# KiCad board cleanrobot-square-main.kicad_pcb (continued)
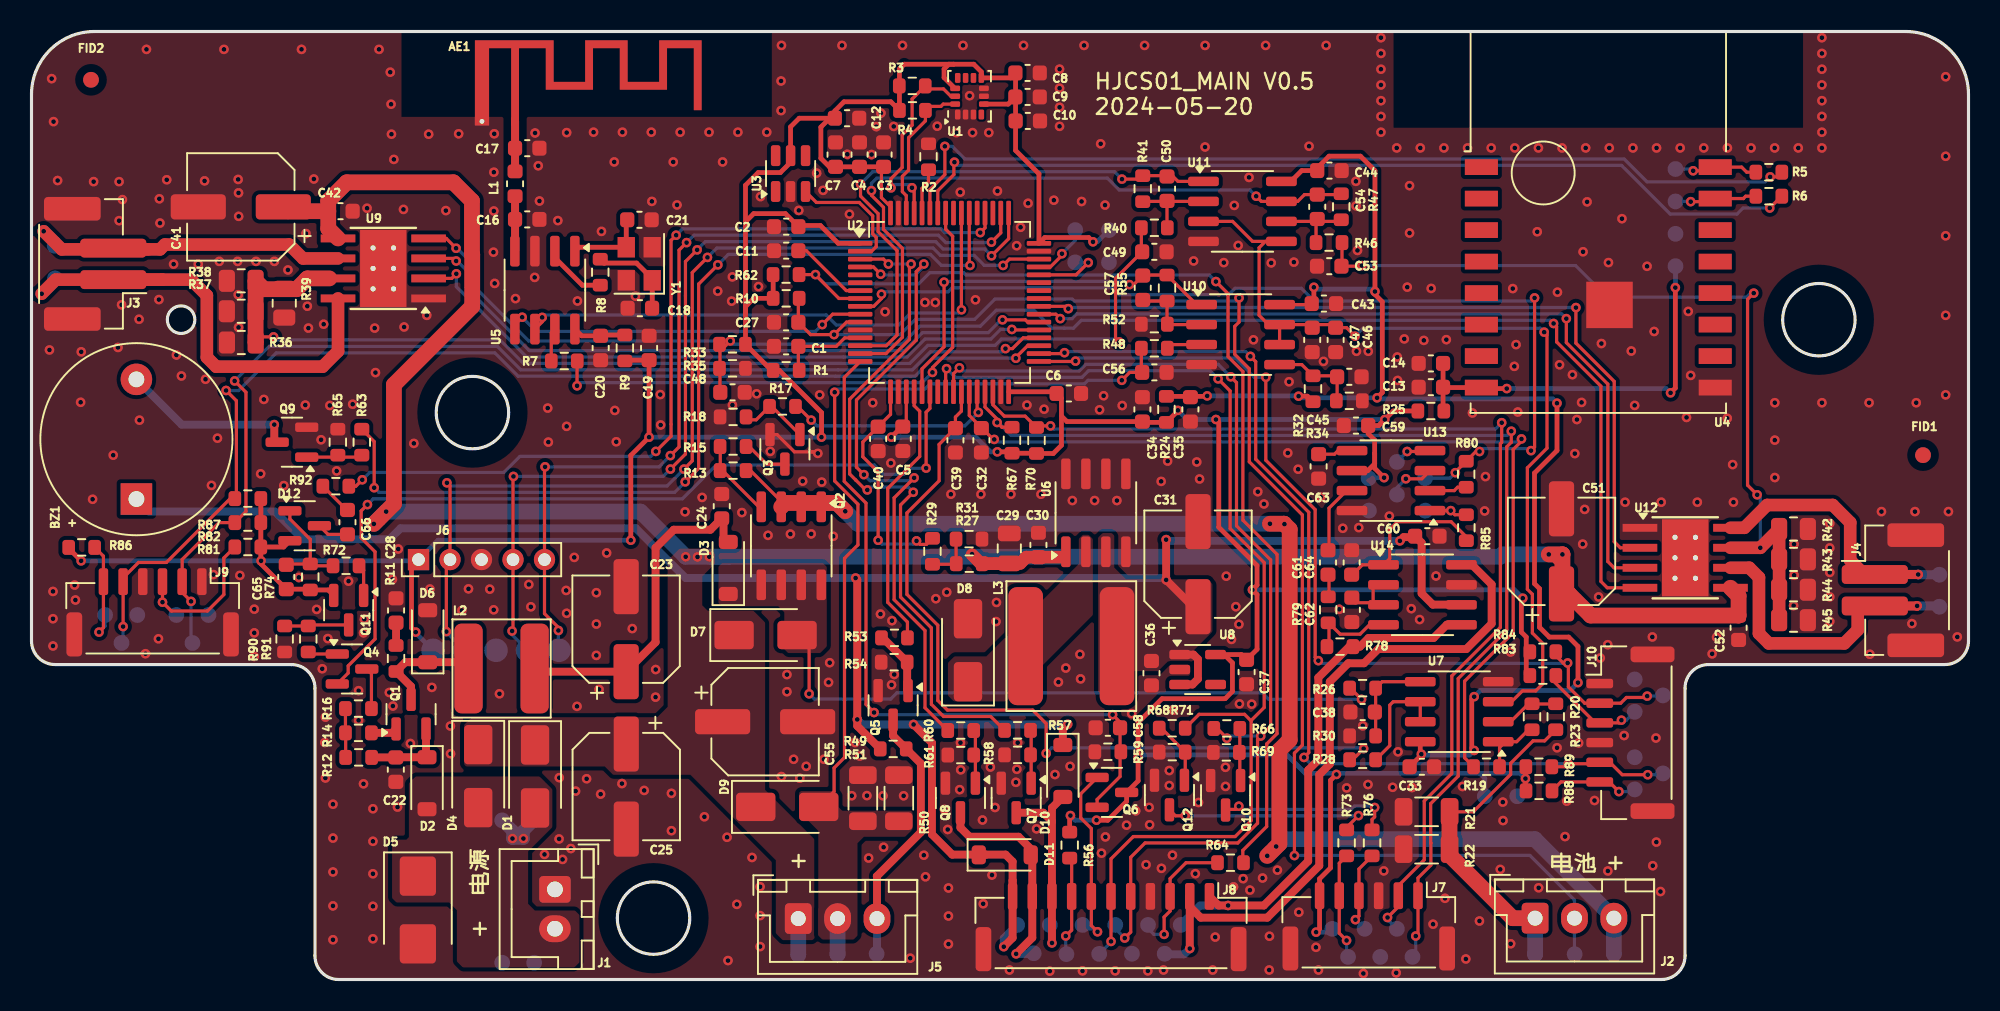
[diagram p0: board, top side]
## Footprints (pads in the part's own frame, mm; a bottom-side part is the same pattern mirrored in y, then rotated) (continued)
  rrect 1.025x1.4 smd: 1(-0.912,0) 2(0.912,0)
R_1206_3216Metric
  rrect 1.125x1.75 smd: 1(-1.462,0) 2(1.462,0)
SOIC-8_3.9x4.9mm_P1.27mm
  rrect 1.95x0.6 smd: 1(-2.475,1.905) 2(-2.475,0.635) 3(-2.475,-0.635) 4(-2.475,-1.905) 5(2.475,-1.905) 6(2.475,-0.635) 7(2.475,0.635) 8(2.475,1.905)
SOT-23
  rrect 1.475x0.6 smd: 1(-0.938,0.95) 2(-0.938,-0.95) 3(0.938,0)
SOT-23-5
  rrect 1.325x0.6 smd: 1(-1.137,0.95) 2(-1.137,0) 3(-1.137,-0.95) 4(1.137,-0.95) 5(1.137,0.95)
SOT-23-6
  rrect 1.325x0.6 smd: 1(-1.137,0.95) 2(-1.137,0) 3(-1.137,-0.95) 4(1.137,-0.95) 5(1.137,0) 6(1.137,0.95)
TestPoint_Pad_D1.0mm
  round 1 smd: 1(0,0)
TestPoint_Pad_D1.5mm
  round 1.5 smd: 1(0,0)
Texas_HTSOP-8-1EP_3.9x4.9mm_P1.27mm_EP2.95x4.9mm_Mask2.4x3.1mm_ThermalVias
  rect 2.4x3.1 smd: (0,0) (0,0)
  rect 2.2x0.5 smd: 1(-2.875,1.905) 2(-2.875,0.635) 3(-2.875,-0.635) 4(-2.875,-1.905) 5(2.875,-1.905) 6(2.875,-0.635) 7(2.875,0.635) 8(2.875,1.905)
  round 0.63 hole 0.33: 9(-0.65,1.3) 9(-0.65,0) 9(-0.65,-1.3) 9(0.65,1.3) 9(0.65,0) 9(0.65,-1.3)
  rect 2.6x3.3 smd far side: 9(0,0)
  rect 2.95x4.9 smd: 9(0,0)
Texas_SWRA117D_2.4GHz_Right
  rect 0.5x0.5 smd: 1(0,0)
  rect 0.9x0.5 hole 0.3: 2(-2.1,0)
Tuya_BT3L
  rect 2.1x1 smd: 1(-7.425,7) 2(-7.425,5) 3(-7.425,3) 4(-7.425,1) 5(-7.425,-1) 6(-7.425,-3) 7(-7.425,-5) 8(-7.425,-7) 9(7.425,-7) 10(7.425,-5) 11(7.425,-3) 12(7.425,-1) 13(7.425,1) 14(7.425,3) 15(7.425,5) 16(7.425,7)
  rect 2.95x2.95 smd: 17(0.71,-1.75)
YH_HY_2AB_1x02-1MP_P2.00mm_Vertical
  rrect 1.2x4.2 smd: 1(-1,-1.4) 2(1,-1.4)
  rrect 1.5x3.6 smd: MP(-3.5,1.2) MP(3.5,1.2)

## Nets
+3.3VA: C33.1 C35.1 C43.1 C44.1 R24.2 R32.1 U7.8 U10.8 U11.8
+3.3VP: C13.1 C14.1 R25.2 TP3.1 U4.8
+3V3: C2.2 C3.2 C4.2 C5.2 C6.2 C7.2 C8.2 C9.2 C10.2 C12.1 C19.1 C34.1 C37.1 C59.1 C65.1 D12.2 J6.1 J7.6 Q6.3 Q11.2 R1.2 R3.2 R4.2 R9.1 R10.1 R24.1 R25.1 R33.1 R56.1 R62.1 R67.1 R70.1 R74.2 R81.1 R82.1 R83.1 R84.1 R86.1 R87.1 R88.1 R89.1 TP1.1 TP41.1 TP45.1 TP59.1 TP60.1 U1.5 U1.8 U1.12 U2.1 U2.19 U2.32 U2.48 U2.64 U3.5 U8.5 U13.6
+5V: BZ1.1 C31.1 C36.1 C60.1 D10.1 D11.1 J8.11 L3.2 R49.1 TP35.1 U6.3 U8.1 U8.3 U14.6
+24V: D1.2 D2.2 D4.2 D5.1 J1.2 TP6.1 TP7.1
GND: AE1.2 C1.1 C2.1 C3.1 C4.1 C5.1 C6.1 C7.1 C8.1 C9.1 C10.1 C11.1 C12.2 C13.2 C14.2 C16.1 C17.1 C18.2 C19.2 C20.2 C21.2 C22.2 C23.2 C24.2 C25.2 C27.2 C28.2 C29.2 C30.2 C31.2 C32.2 C33.2 C34.2 C35.2 C36.2 C37.2 C38.2 C39.2 C40.2 C41.2 C42.2 C43.2 C44.2 C45.2 C46.2 C47.2 C48.2 C49.2 C51.2 C52.2 C53.2 C55.2 C56.1 C58.2 C59.2 C60.2 C62.1 C63.2 C64.2 D5.2 D6.2 D8.2 J1.1 J3.MP J4.MP J6.3 J7.3 J7.MP J8.4 J8.MP J9.1 J9.4 J9.MP J10.1 J10.4 J10.MP Q3.2 Q5.2 Q7.2 Q8.2 Q9.2 Q10.2 Q12.2 R2.1 R18.1 R21.1 R22.1 R30.2 R31.2 R34.2 R35.2 R36.2 R37.2 R38.2 R39.2 R42.2 R43.2 R44.2 R45.2 R50.2 R51.2 R52.1 R54.1 R58.2 R59.2 R61.2 R65.2 R69.2 R71.2 R90.2 TP2.1 TP24.1 TP44.1 TP54.1 TP61.1 TP62.1 TP64.1 TP66.1 TP67.1 TP68.1 TP69.1 TP70.1 TP71.1 U1.1 U1.2 U1.3 U1.6 U1.7 U2.12 U2.18 U2.31 U2.47 U2.63 U3.2 U4.9 U4.17 U5.3 U6.4 U6.5 U6.6 U6.7 U6.8 U7.4 U8.2 U9.1 U9.9 U10.4 U11.4 U12.1 U12.9 U13.8 U14.7 Y1.2 Y1.4
VDD: C25.1 C29.1 C30.1 C41.1 C42.1 C51.1 C52.1 C55.1 D1.1 D4.1 D7.1 D9.1 J5.1 R27.1 TP14.1 U6.1 U9.5 U12.5
+BATT: D3.1 D7.2 Q2.5 Q2.6 Q2.7 Q2.8 R26.1
/driver/L_MOTOR_OUT+: J3.2 TP11.1 U9.6
/driver/L_MOTOR_OUT-: J3.1 TP10.1 U9.8
/driver/R_MOTOR_OUT+: J4.2 TP13.1 U12.6
/driver/R_MOTOR_OUT-: J4.1 TP12.1 U12.8
/main/BLE_MCU_RXD: R5.2 U2.59
/main/BLE_MCU_TXD: R6.2 U2.58
/main/MISO: U2.56
/main/MOSI: R7.1 U2.57
/main/RF_REST: U2.6
/main/SCK: U2.55 U5.6
/main/SCS: U2.10 U5.5
/main/SPD_DET_LEFT: U2.41
/main/SPD_DET_RIGHT: U2.42
/main/TSD_DATA: U2.2 U3.3
/main/USB_DM: TP33.1 U2.44
/main/USB_DP: TP31.1 U2.45
/peripheral/BLUE: Q12.3 R73.1
/peripheral/RED: Q10.3 R76.1
/peripheral/SPEAKER_N: J8.2 TP28.1 U14.8
/peripheral/SPEAKER_P: J8.1 R78.2 TP27.1 U14.5
/peripheral/VOICE_BUSY: R85.1 TP50.1 U13.1
/power/BATT_NEG: J2.1 R20.1 R21.2 R22.2 TP17.1
/power/BATT_SYS: J2.3 Q2.1 Q2.2 Q2.3 R13.2 TP9.1
ADC_FAN_MOTOR: C57.2 R55.2 U2.21 U10.1
ADC_LEFT_MOTOR: C50.2 R41.2 U2.14 U11.1
ADC_RIGHT_MOTOR: C54.2 R47.2 U2.15 U11.7
BATT_C: C32.1 R19.2 U2.27
BATT_ON: R17.2 U2.28
BATT_V: C39.1 R28.2 U2.26
BELL: R63.1 U2.54
CHG_PWM: Q4.2 U2.22
CHG_V: C40.1 R29.2 U2.17
CHG_WATCHDOG: R92.1 U2.52
EDGE_DET_LB: J9.2 R82.2 TP52.1 U2.36
EDGE_DET_LT: J9.5 R87.2 TP57.1 U2.35
EDGE_DET_RB: J10.2 R84.2 TP53.1 U2.33
EDGE_DET_RT: J10.5 R89.2 TP58.1 U2.34
IR_OUT: U2.23
LED_BLUE: J8.6 R68.1 TP40.1 U2.24
LED_RED: J8.5 R66.1 TP26.1 U2.25
PWM_FAN: R53.1 U2.20
PWM_LEFT1: U2.38 U9.3
PWM_LEFT2: U2.37 U9.2
PWM_RIGHT1: U2.39 U12.3
PWM_RIGHT2: U2.40 U12.2
SCL1: R3.1 U1.13 U2.61
SCL2: J7.1 R67.2 TP42.1 U2.29
SDA1: R4.1 U1.14 U2.62
SDA2: J7.2 R70.2 TP43.1 U2.30
SPRAY_BACK: R57.1 U2.3
SPRAY_BACK_N: D10.2 J8.9 Q7.3 TP37.1
SPRAY_FRONT: R60.1 U2.4
SPRAY_FRONT_N: D11.2 J8.10 Q8.3 TP36.1
START: R62.2 R64.1 U2.8
SWCLK: J6.4 TP25.1 U2.49
SWDIO: J6.2 TP23.1 U2.46
TEMP: C27.1 J2.2 R10.2 TP8.1 U2.11
UART2_RX: J6.5 TP30.1 U2.50
VOICE_DATA: R80.1 TP46.1 U2.9
VREF55: C46.1 C47.1 U7.3 U10.6 U10.7 U11.3 U11.5
WATER_DET: C58.1 Q6.2 R59.1 U2.16
WATER_DET_N: J8.7 Q6.1 TP39.1
WATER_DET_P: J8.8 R56.2 TP38.1
Net-(AE1-A): AE1.1 C17.2 L1.2
Net-(BZ1-+): BZ1.2 Q9.3
Net-(C18-Pad1): C18.1 R8.2 Y1.1
Net-(C28-Pad1): C28.1 R11.2
Net-(C61-Pad2): C61.2 R79.1
Net-(C65-Pad2): C65.2 D12.1 R72.1 R74.1
Net-(C66-Pad1): C66.1 D12.3
Net-(C66-Pad2): C66.2 R92.2
Net-(D2-K): C22.1 D2.1 Q1.2 R12.1
Net-(D3-A): C23.1 C24.1 D3.2 L2.2
Net-(D6-K): D6.1 L2.1 Q1.3 R11.1
Net-(D8-K): D8.1 L3.1 U6.2
Net-(D9-A): C56.2 D9.2 J5.2 R48.1 R50.1 R51.1 TP15.1
Net-(J5-Pin_3): J5.3 Q5.3 R49.2 TP16.1
Net-(J7-Pin_4): J7.4 R76.2 TP32.1
Net-(J7-Pin_5): J7.5 R73.2 TP34.1
Net-(J8-Pin_3): J8.3 R64.2 TP29.1
Net-(J9-Pin_3): J9.3 R81.2 TP55.1
Net-(J9-Pin_6): J9.6 R86.2 TP72.1
Net-(J10-Pin_3): J10.3 R83.2 TP56.1
Net-(J10-Pin_6): J10.6 R88.2 TP73.1
Net-(Q1-G): Q1.1 R14.1
Net-(Q2-G): Q2.4 R13.1 R15.2
Net-(Q3-B): Q3.1 R17.1 R18.2
Net-(Q3-C): Q3.3 R15.1
Net-(Q4-B): Q4.1 R91.2
Net-(Q4-C): Q4.3 R16.2
Net-(Q5-B): Q5.1 R53.2 R54.2
Net-(Q7-G): Q7.1 R57.2 R58.1
Net-(Q8-G): Q8.1 R60.2 R61.1
Net-(Q9-B): Q9.1 R63.2 R65.1
Net-(Q10-B): Q10.1 R66.2 R69.1
Net-(Q11-B): Q11.1 R72.2
Net-(Q11-C): Q11.3 R90.1 R91.1
Net-(Q12-B): Q12.1 R68.2 R71.1
Net-(R12-Pad2): R12.2 R14.2 R16.1
Net-(R19-Pad1): R19.1 R23.2 U7.1
Net-(R27-Pad2): R27.2 R29.1 R31.1
Net-(U2-BOOT0): R2.2 U2.60
Net-(U2-NRST): C11.2 U2.7
Net-(U2-VDDA): C1.2 R1.1 U2.13
Net-(U4-TL_B1): R5.1 TP4.1 U4.16
Net-(U4-TL_B7): R6.1 TP5.1 U4.15
Net-(U5-ANT): C16.2 L1.1 U5.4
Net-(U5-DATA/MOSI): R7.2 U5.7
Net-(U5-VDD): C20.1 R9.2 U5.8
Net-(U5-XC1): C21.1 U5.1 Y1.3
Net-(U5-XC2): R8.1 U5.2
Net-(U7A--): R20.2 R23.1 U7.2
Net-(U7B-+): C38.1 R26.2 R30.1 U7.5
Net-(U7B--): R28.1 U7.6 U7.7
Net-(U9-ISEN): C49.1 R36.1 R37.1 R38.1 R39.1 R40.1 U9.7
Net-(U10A-+): R48.2 U10.3
Net-(U10A--): C57.1 R52.2 R55.1 U10.2
Net-(U10B-+): C45.1 R32.2 R34.1 U10.5
Net-(U11A--): C50.1 R40.2 R41.1 U11.2
Net-(U11B--): C54.1 R46.2 R47.1 U11.6
Net-(U12-ISEN): C53.1 R42.1 R43.1 R44.1 R45.1 R46.1 U12.7
Net-(U12-VREF): C48.1 R33.2 R35.1 U9.4 U12.4
Net-(U13-PC1/SO): R80.2 U13.2
Net-(U13-PI0/SI): TP48.1 U13.3
Net-(U13-PI1/SCK): TP47.1 U13.4
Net-(U13-PWMN): C63.1 U13.5
Net-(U13-PWMP/DAC): C61.1 U13.7
Net-(U14-BYPASS): C62.2 U14.2 U14.3
Net-(U14-IN-): R78.1 R79.2 U14.4
Net-(U14-~{SD}): C64.1 R85.2 U14.1

Pads without a net: U1 4 9 10 11; U2 5 43 51 53; U3 1 4 6; U4 1 2 3 4 5 6 7 10 11 12 13 14; U8 4

## Via types
v1: diameter 0.61, hole 0.305, Top to Bottom, 737 vias

## Routing (per net, layer and track width the routed paths; a pad name or vN(x,y) marks a point on that pad's centre or on a via; arc(x,y) is an arc through that point)
+3.3VA: length 91.2
  Top w0.203: U10.8 81.23,42.86 C43.1 81.43,43.06 ; 74.62,37.03 v1(74.66,37.06)
  Top w0.3: C33.1 88.25,14.25 v1(88.25,14.31) 88.19,14.38 U7.8 ; U11.8 79.97,50.68 80.66,51.37 C44.1 81.64,51.53 82.4,52.28 84.39,52.28 85.31,51.36 85.31,43.5 85.78,43.04 85.78,37.27 v1(85.44,36.94) ; v1(80.46,37.04) 81.02,37.04 R32.1 ; v1(98.2,18.85) 98.2,18.85 98.2,21.15 97.61,21.75 96.38,21.75 95.76,22.37 95.76,24.82 95.44,25.13 95.44,32.16 96.87,33.59 v1(96.87,36.6) ; v1(91.61,14.55) 91.46,14.7 91.46,17.81 v1(91.61,17.96) ; v1(81.43,43.96) 81.43,43.06 ; R24.2 74.62,37.03
  Bottom w0.203: 80.44,37.06 v1(80.46,37.04) ; 81.55,43.84 v1(81.43,43.96)
  Bottom w0.3: 81.55,43.84 85.16,43.84 v1(85.31,43.69) ; v1(96.87,36.6) 96.6,36.87 85.51,36.87 v1(85.44,36.94) 80.56,36.94 v1(80.46,37.04) ; v1(74.66,37.06) 80.44,37.06 ; v1(91.61,14.55) 91.32,14.26 88.31,14.26 v1(88.25,14.31) ; v1(98.2,18.85) 97.7,18.36 92,18.36 v1(91.61,17.96)
+3.3VP: length 25.8
  Top w0.3: v1(93.68,37.53) 92.13,37.53 U4.8 89.66,37.59 C13.1 ; v1(104.08,37.25) 104.38,37.56 v1(104.38,43.94) ; R25.2 89.63,36.15 C14.1
  Bottom w0.203: v1(104.38,43.94) 104.39,43.95 ; 103.81,37.53 v1(104.08,37.25)
  Bottom w0.3: 104.39,43.95 TP3.1 ; v1(93.68,37.53) 103.81,37.53
+3V3: length 326.7
  Top w0.203: U8.5 75.5,20.63 ; 2.36,27.38 2.36,27.44 ; U2.19 55.55,35.33 C5.2 55.27,35.11 ; U2.64 54.55,49.07 53.97,49.65 53.97,51.47 ; 24.13,26.22 J6.1
  Top w0.3: v1(61.33,33.51) 62.17,33.51 R67.1 63.8,33.42 R70.1 64.88,33.4 65.4,33.92 65.4,36.91 65.1,37.21 ; 94.92,19.29 94.92,21.75 94.6,22.06 94.6,24.12 v1(94.7,24.21) ; v1(67.41,46.84) 67.13,47.12 64.34,47.12 U2.48 63.97,51.16 62.49,52.65 C10.2 62.49,57.56 C8.2 62.16,57.25 U1.8 60.31,57.64 59.83,58.12 58.56,58.12 ; 45.34,42.28 45.34,42.73 45.86,43.26 R10.1 47.09,44.76 R62.1 ; 45.34,42.28 45.34,47.85 ; 45.34,42.28 R33.1 46.99,38.68 R1.2 ; 58.56,58.12 55.42,58.12 55.12,57.82 R4.2 54.57,55.74 51.59,55.74 51.01,55.16 C12.1 ; 58.56,58.12 58.25,58.12 57.95,57.82 57.95,57.27 58.63,56.59 U1.12 ; C37.1 77.82,20.96 77.82,24.45 v1(77.53,24.75) 77.82,25.04 77.82,26.29 75.39,28.72 75.39,35.38 v1(75.21,35.56) ; 85.29,33.41 85.29,32.47 v1(85.89,31.87) ; 85.29,33.41 85.29,34.26 84.88,34.67 C59.1 85.55,35.18 ; 85.29,33.41 85.29,32.75 84.85,32.32 U13.6 ; 85.55,35.18 86.47,36.1 R25.1 ; 85.55,35.18 v1(85.93,35.56) ; v1(3.15,26.59) 2.36,27.38 ; C12.1 50.69,54.69 50.13,54.13 50.13,52.15 50.67,51.61 C7.2 C3.2 53.97,51.47 ; C12.1 48.75,54.69 48.2,54.15 U3.5 48.2,51.89 47.55,51.24 46.15,51.24 45.34,50.43 45.34,47.85 ; 48.77,47.88 50.09,47.88 51.23,46.75 U2.1 ; R88.1 94.87,12.02 v1(94.87,12.76) 94.87,13.48 R89.1 ; U2.32 64.99,37.32 ; Q11.2 18.84,24.74 R74.2 17.65,24.79 C65.1 14.58,26.39 v1(14.58,26.59) ; R9.1 37.73,39.33 C19.1 39.22,34.44 v1(39.22,34.44) 38.06,33.28 v1(38.06,27.9) ; 77.11,20.35 76.82,20.63 U8.5 75.73,20.63 76.26,20.11 76.26,18.3 75.8,17.83 71.79,17.83 70.27,16.32 v1(70.27,14.1) 70.27,12.61 Q6.3 69.54,11.31 68.34,10.11 67.63,10.11 v1(67.63,10.12) ; v1(24.4,22.06) 24.13,22.32 24.13,26.22 ; 45.34,47.85 45.34,48.11 45.86,48.64 47.87,48.64 C2.2 ; R56.1 65.93,10.36 v1(65.97,10.41) ; v1(81.57,3.01) 81.79,3.23 J7.6 81.79,6.39 82.49,7.09 82.49,12.65 v1(82.86,13.02) ; v1(72.79,36.14) 72.79,36.11 R24.1 70.59,35.38 70.54,35.43 65.75,35.43 65.4,35.78 ; 55.27,35.11 v1(54.6,34.44) ; U1.5 62.02,55.59 C9.2
  Top w0.305: R81.1 14.56,26.6 v1(14.58,26.59) ; R81.1 16.01,27.47 D12.2 ; R81.1 R82.1 R87.1 ; v1(50.16,34.44) 50.17,34.45 50.17,36 47.48,38.68 R1.2
  Bottom w0.3: v1(3.15,26.59) v1(14.58,26.59) 24.5,26.59 J6.1 25.81,27.9 v1(38.06,27.9) ; TP45.1 84.94,31.87 v1(85.89,31.87) ; 91.97,13.09 94.53,13.09 v1(94.87,12.76) ; 91.97,13.09 92.28,12.78 TP1.1 ; 91.97,13.09 80.89,13.09 79.72,14.26 70.42,14.26 v1(70.27,14.1) ; v1(67.63,10.12) 66.27,10.12 v1(65.97,10.41) ; TP59.1 67.67,46.84 v1(67.41,46.84) ; v1(77.53,24.75) 94.16,24.75 v1(94.7,24.21) ; v1(85.93,35.56) 73.37,35.56 v1(72.79,36.14) ; v1(81.57,3.01) 82.39,3.01 TP41.1 ; v1(39.22,34.44) 55.21,34.44 ; 55.21,34.44 59.96,34.44 60.89,33.51 v1(61.33,33.51) ; 55.21,34.44 v1(54.6,34.44) ; TP60.1 24.4,22.01 v1(24.4,22.06)
+5V: length 150.5
  Top w0.203: L3.2 68.93,18.82 ; C31.1 74.34,23.94
  Top w0.5: 60.6,7.93 61.86,7.93 62.3,7.49 62.3,6.29 ; 60.6,7.93 58.47,7.93 57.18,9.22 57.18,15.03 v1(56.01,16.2) ; 60.6,7.93 60.17,7.93 D11.1 ; v1(72.05,27.93) v1(72.05,25.37) 73.75,23.68 C31.1 ; 62.3,6.29 62.3,2.65 v1(61.74,2.08) ; 62.3,6.29 J8.11 ; 90.14,23.81 88.98,23.81 88.27,24.52 88.27,27.74 C60.1 87.8,28.09 87.13,28.09 v1(86.89,27.85) ; R49.1 52.44,16.1 52.44,25.39 v1(52.33,25.5) ; D10.1 65.49,15.9 v1(65.8,16.21) ; U8.1 73.78,20.63 74.07,20.34 74.07,19.08 73.72,18.73 U8.3
  Bottom w0.5: v1(72.05,25.37) 71.93,25.5 v1(52.33,25.5) 41.54,25.5 38.38,28.65 23.44,28.65 22.74,27.96 17.22,27.96 15.46,29.72 7.46,29.72 BZ1.1 ; v1(65.8,16.21) 65.79,16.2 v1(56.01,16.2) 52.75,16.2 v1(52.44,16.51) ; TP35.1 61.74,2.62 v1(61.74,2.08) ; v1(86.89,27.85) 72.13,27.85 v1(72.05,27.93)
+24V: length 3.6
  Bottom w0.8: TP6.1 31.9,10.11 31.24,9.44 v1(31.24,8.95) v1(30.54,8.95) 30.54,9.45 TP7.1
GND: length 4
  Top w0.203: 49.67,33.51 49.57,33.51 v1(49.93,33.41) 49.77,33.51 48.44,33.51 47.35,34.6 46.89,34.6
  vias: v1(1.14,39.98) v1(1.28,57.21) v1(1.4,54.48) v1(1.36,24.64) v1(1.36,22.91) v1(1.36,21.18) v1(1.66,50.74) v1(2.74,25.05) v1(2.79,24.1) v1(3.12,36.66) v1(3.16,39.86) v1(3.88,30.5) v1(3.94,50.67) v1(5.19,33.3) v1(5.49,40.14) v1(5.56,50.67) v1(5.56,48.19) v1(5.72,42.85) v1(5.77,49.52) v1(6.83,41.93) v1(6.86,35.52) v1(7.24,20.69) v1(7.3,59.07) v1(8.12,49.58) v1(8.09,43.18) v1(8.06,21.64) v1(8.16,48.04) v1(8.59,50.78) v1(9.02,45.43) v1(9.2,39.66) v1(9.52,38.33) v1(10.59,45.43) v1(10.99,50.71) v1(11.05,38.12) v1(11.43,31.38) v1(11.55,25.71) v1(11.81,34.37) v1(11.92,45.6) v1(12.22,59.07) v1(13.12,50.81) v1(13.09,45.6) v1(13.13,43.49) v1(13.15,49.95) v1(13.16,48.46) v1(13.15,41.41) v1(13.23,25.66) v1(14.15,23.52) v1(14.15,22.01) v1(14.15,20.51) v1(14.26,45.6) v1(14.55,32.11) v1(14.75,36.84) v1(15.42,45.6) v1(16.02,31.37) v1(16.28,45.06) v1(16.98,25.54) v1(17.14,59.07) v1(17.43,47.37) v1(17.39,36.48) v1(17.52,42.76) v1(17.58,41.37) v1(17.93,50.83) v1(18.11,23.5) v1(18.39,34.27) v1(18.46,19.73) v1(18.55,41.61) v1(18.62,15.05) v1(18.66,16.66) v1(18.66,12.8) v1(18.82,21.65) v1(18.94,36.45) v1(19.14,11.13) v1(19.14,8.98) v1(19.14,6.83) v1(19.14,4.68) v1(19.14,2.52) v1(19.38,32.29) v1(20.13,25.3) v1(20.39,36.53) v1(20.77,18.34) v1(20.77,16.46) v1(21.13,22.88) v1(21.08,22.01) v1(21.08,12.43) v1(21.31,48.98) v1(21.68,10.84) v1(21.68,8.78) v1(21.68,6.71) v1(21.68,4.65) v1(21.68,2.58) v1(21.79,41.37) v1(21.84,38.54) v1(22.07,59.07) v1(22.72,18.23) v1(22.78,57.62) v1(22.83,55.58) v1(22.86,53.68) v1(22.92,25.41) v1(23.01,52.08) v1(22.95,17.37) v1(23.29,27.34) v1(23.24,10.95) v1(23.62,48.9) v1(23.66,41.44) v1(24.06,14.99) v1(24.28,34.04) v1(25.1,42.18) v1(25.22,53.68) v1(25.3,24.8) v1(25.42,18.55) v1(26.31,48.83) v1(26.6,16.1) v1(26.61,14.34) v1(27.12,53.7) v1(27.33,23.44) v1(27.75,24.81) v1(29.1,24.79) v1(29.33,46.19) v1(29.39,53.7) v1(29.36,51.27) v1(29.36,48.8) v1(29.41,44.2) v1(29.35,23.48) v1(29.72,18.14) v1(30.73,43.24) v1(31.58,25.09) v1(31.71,23.67) v1(31.98,53.75) v1(31.95,44.59) v1(32.18,51.67) v1(32.26,49.44) v1(32.57,7.94) v1(32.78,36.29) v1(32.82,34.13) v1(33.42,48.19) v1(33.51,12.82) v1(33.5,8.93) v1(33.72,7.63) v1(33.98,53.78) v1(33.98,35.13) v1(33.95,24.71) v1(33.98,23.26) v1(34.25,8.32) v1(34.47,26.81) v1(34.64,17.35) v1(34.55,11.96) v1(34.67,43.09) v1(35.25,12.75) v1(35.69,53.81) v1(35.87,24.56) v1(35.87,22.57) v1(35.87,20.58) v1(36.04,18.42) v1(36.14,11.77) v1(36.19,47.51) v1(36.52,27.08) v1(37,51.92) v1(37.04,36.14) v1(37.13,34.15) v1(37.52,53.81) v1(37.49,12.44) v1(38.15,22.28) v1(38.35,43.39) v1(38.91,12.01) v1(39.36,53.81) v1(39.39,49.41) v1(39.64,19.68) v1(39.63,17.93) v1(39.93,37.14) v1(39.95,35.21) v1(40.63,11.82) v1(40.63,9.45) v1(40.75,51.92) v1(40.99,49.19) v1(41.19,53.81) v1(41.5,29.7) v1(42.58,30.61) v1(42.73,10.33) v1(43.02,53.81) v1(43.58,43.71) v1(43.88,51.92) v1(44.17,9.03) v1(44.23,1.2) v1(44.5,44.62) v1(44.46,43.08) v1(44.51,36.48) v1(44.79,4.77) v1(44.86,53.81) v1(45.11,29.65) v1(45.75,7.75) v1(46.05,37.19) v1(46.16,44) v1(46.29,49.72) v1(46.27,5.89) v1(46.27,4.06) v1(46.27,2.09) v1(46.69,53.81) v1(46.77,28.21) v1(46.91,33.54) v1(47.62,59.32) v1(47.6,57.06) v1(47.6,55.18) v1(47.62,12.89) v1(47.97,19.36) v1(47.97,18.27) v1(48.19,28.29) v1(48.4,13.99) v1(48.72,48.84) v1(48.78,12.78) v1(48.97,31.65) v1(49.19,13.54) v1(49.51,28.3) v1(49.86,51.21) v1(50.05,37.12) v1(50.18,31.59) v1(50.26,50.11) v1(50.32,13.99) v1(50.61,18.87) v1(50.68,20.12) v1(50.91,28.15) v1(51.47,59.32) v1(51.81,52.4) v1(51.94,48.6) v1(52.08,11.67) v1(52.3,15.05) v1(52.59,14.19) v1(53.05,11.68) v1(53.16,7.71) v1(53.34,52.39) v1(53.42,36.63) v1(53.64,54.16) v1(53.94,55.02) v1(53.91,23.21) v1(54.07,11.67) v1(54.11,8.4) v1(54.2,42.4) v1(54.57,32.8) v1(54.64,22.79) v1(54.61,18.71) v1(54.75,54.17) v1(54.78,19.37) v1(55.31,59.32) v1(55.38,11.67) v1(55.8,1.35) v1(56.73,43) v1(56.66,7.89) v1(56.77,6.52) v1(57.39,42.99) v1(57.42,24.18) v1(57.51,54.19) v1(57.97,10.81) v1(58.12,24.59) v1(58.18,9.53) v1(58.23,5.81) v1(58.23,4.03) v1(58.23,2.25) v1(58.38,30.82) v1(58.73,53.78) v1(58.94,12.06) v1(58.98,50) v1(58.99,15.04) v1(59,13.32) v1(59.15,59.32) v1(59.57,56.12) v1(59.76,53.78) v1(59.94,43.16) v1(60.29,30.82) v1(60.39,10.13) v1(60.43,4.81) v1(60.79,53.78) v1(60.89,13.49) v1(60.99,6.63) v1(61.19,10.92) v1(61.34,50.07) v1(61.28,23.94) v1(61.25,22.73) v1(62.09,0.6) v1(62.19,30.82) v1(62.51,12.52) v1(62.56,46.6) v1(62.62,15.04) v1(62.57,13.35) v1(62.81,47.77) v1(62.99,59.32) v1(63.21,36.48) v1(63.28,49.29) v1(63.82,9.57) v1(64.1,30.82) v1(64.3,36.22) v1(64.66,0.53) v1(64.92,49.49) v1(64.99,13.02) v1(65.21,18.89) v1(65.28,57.81) v1(65.28,56.6) v1(65.28,55.39) v1(65.28,54.18) v1(65.68,19.78) v1(65.95,13.54) v1(66.09,30.42) v1(66.57,20.65) v1(66.62,19.09) v1(66.68,49.41) v1(66.74,0.55) v1(66.84,59.32) v1(67.51,30.42) v1(67.82,36.18) v1(67.89,53.07) v1(67.94,8.02) v1(68.08,37.07) v1(68.17,49.18) v1(68.19,9.06) v1(68.81,0.55) v1(68.92,30.42) v1(69.26,36.45) v1(69.54,9.8) v1(69.86,16.89) v1(70.12,10.71) v1(70.68,59.32) v1(70.78,7.29) v1(70.89,0.55) v1(70.97,10.93) v1(71,9.83) v1(71.73,31.63) v1(71.75,7.06) v1(71.89,0.6) v1(72.15,32.92) v1(72.25,13.27) v1(72.25,12.32) v1(72.5,17.1) v1(72.45,7.9) v1(73.79,45.63) v1(73.9,6.72) v1(74,32.86) v1(74.1,11.24) v1(74.17,31.79) v1(74.52,59.32) v1(74.52,52.87) v1(75.01,0.6) v1(75.16,2.7) v1(75.71,45.52) v1(75.82,13.48) v1(75.82,12.26) v1(75.87,25.61) v1(76.2,21.6) v1(76.33,5.88) v1(76.38,49.16) v1(76.47,23.67) v1(76.62,46.61) v1(76.67,22.56) v1(76.7,17.5) v1(76.94,6.4) v1(77.31,50.94) v1(77.37,5.68) v1(77.48,17.48) v1(77.59,40.62) v1(77.87,30.98) v1(78.17,6.44) v1(78.26,30.2) v1(78.37,59.32) v1(78.61,2.75) v1(78.59,0.6) v1(78.72,45.51) v1(79.12,6.95) v1(79.78,33.44) v1(79.85,37.96) v1(80.16,45.55) v1(80.43,32.4) v1(80.47,4.27) v1(81.12,52.92) v1(81.56,2.05) v1(81.72,0.6) v1(81.86,30.64) v1(82.04,39.25) v1(82.21,59.32) v1(83.04,23.51) v1(83.27,28.65) v1(83.51,12.17) v1(84.1,50.69) v1(84.11,49.13) v1(84.14,39.89) v1(84.2,46.3) v1(84.28,28.7) v1(84.53,16.11) v1(84.57,0.38) v1(84.89,39.89) v1(84.87,12.38) v1(85.69,59.81) v1(85.69,58.81) v1(85.69,57.81) v1(85.69,56.81) v1(85.69,55.81) v1(85.69,54.81) v1(85.69,53.81) v1(85.87,6.9) v1(86.22,29.43) v1(86.43,12.21) v1(86.69,52.81) v1(86.73,39.53) v1(86.66,0.42) v1(86.75,38.04) v1(86.77,14.46) v1(87.17,40.68) v1(87.36,43.97) v1(87.51,50.41) v1(87.51,47.4) v1(87.62,23.55) v1(87.66,12.19) v1(88.19,52.81) v1(88.14,22.86) v1(88.41,40.59) v1(88.88,43.89) v1(89,3.51) v1(89.19,25.62) v1(89.69,52.81) v1(89.76,5.16) v1(89.84,40.63) v1(90.87,12.26) v1(91.08,1.3) v1(91.19,52.81) v1(91.5,35.98) v1(91.95,3.72) v1(92.33,31.94) v1(92.28,29.75) v1(92.69,52.81) v1(93.27,6.99) v1(93.43,11.27) v1(93.44,10.09) v1(93.92,20.8) v1(93.93,2.27) v1(94.06,43.88) v1(94.19,52.81) v1(94.16,38.94) v1(94.27,40.32) v1(94.38,36.04) v1(95.62,47.48) v1(95.69,52.81) v1(95.7,5.82) v1(96.9,43.65) v1(96.87,14.71) v1(97.03,39.04) v1(97.19,52.81) v1(97.38,9.08) v1(97.49,11.33) v1(97.85,38.41) v1(98,33.4) v1(98.13,35.56) v1(98.24,15.02) v1(98.43,36.65) v1(98.52,46.21) v1(98.5,27.65) v1(98.63,29.85) v1(98.69,52.81) v1(98.78,49.38) v1(99.25,11.37) v1(99.51,24.29) v1(99.62,20.42) v1(99.69,40.39) v1(100.14,45.53) v1(100.09,21.26) v1(100.1,6.89) v1(100.19,52.81) v1(101,48.31) v1(101.13,15.49) v1(101.19,30.31) v1(101.59,39.91) v1(101.69,52.81) v1(101.8,36.46) v1(102.59,45.29) v1(102.92,21.75) v1(103.04,41.15) v1(102.95,7.23) v1(103.19,52.81) v1(103.15,15.34) v1(103.18,8.73) v1(103.49,30.31) v1(103.44,5.59) v1(104.69,52.81) v1(105.09,35.69) v1(105.2,42.43) v1(105.36,38.36) v1(105.78,30.31) v1(106.19,52.81) v1(106.72,20.68) v1(107,21.73) v1(107.69,52.81) v1(107.68,35.64) v1(108.02,32.7) v1(108.07,30.31) v1(109.19,52.81) v1(110.69,52.81) v1(110.7,36.63) v1(110.7,34.25) v1(110.7,31.88) v1(111.92,27.65) v1(111.93,25.67) v1(111.89,23.74) v1(112.19,52.81) v1(113.69,59.81) v1(113.69,58.81) v1(113.69,57.81) v1(113.69,56.81) v1(113.69,55.81) v1(113.69,54.81) v1(113.69,53.81) v1(113.69,52.81) v1(113.69,36.63) v1(114.19,28.96) v1(114.19,27.41) v1(114.19,25.85) v1(114.19,24.3) v1(114.19,22.74) v1(116.69,36.63) v1(116.73,20.65) v1(117.47,29.71) v1(119.41,22.6) v1(119.6,29.71) v1(119.68,36.63) v1(121.55,57.33) v1(121.55,52.28) v1(121.55,47.23) v1(121.55,42.18) v1(121.55,37.13) v1(121.73,29.71) v1(122.29,21.76)
VDD: length 144.1
  Top w0.8: 61.2,26.41 60.29,26.41 59.72,26.97 ; 61.2,26.41 62.07,26.41 C29.1 62.78,26.42 63.17,26.82 C30.1 65.34,26.82 ; 61.2,26.41 R27.1
  Top w1: 48.68,3.88 J5.1 ; C41.1 16.27,48.79 C42.1 ; v1(21.74,28.93) 23.01,30.21 23.01,37.77 27.99,42.74 27.99,46.03 27.97,46.05 27.97,49.44 26.79,50.62 20.02,50.62 18.84,49.45 C42.1 ; v1(97.21,26.99) v1(96.35,26.99) ; v1(97.21,26.99) 97,26.78 ; v1(97.21,26.99) 97.21,24.55 C51.1 97.63,24.49 99.01,23.11 C52.1 108.4,24.36 U12.5 ; C42.1 18.84,47.68 U9.5 ; 44.86,21.63 D7.1
  Bottom w1: J5.1 TP14.1 ; 44.28,26.85 v1(41.54,26.85) 38.67,29.71 v1(22.52,29.71) v1(21.74,28.93) ; 44.28,26.85 93.26,26.85 93.41,26.99 v1(97.21,26.99) ; 44.28,26.85 v1(43.04,26.85)
  vias: v1(42.29,26.83) v1(59.72,27.01)
+BATT: length 40.6
  Top w0.203: v1(49.38,18.14) 49.38,21.11 D7.2 ; R26.1 83.75,18.5 v1(84.46,17.79)
  Bottom w0.203: v1(84.46,17.79) 78.57,17.79 78.15,18.21 54.95,18.21 54.56,17.81 49.71,17.81 v1(49.38,18.14)
/driver/L_MOTOR_OUT+: length 20.9
  Top w0.8: U9.6 17.24,45.79 16.36,46.67 8.47,46.67 8.16,46.37 1.92,46.37 v1(0.77,47.51)
  Bottom w0.8: TP11.1 1.47,46.81 v1(0.77,47.51)
/driver/L_MOTOR_OUT-: length 32
  Top w0.8: 8.3,44.44 10.13,44.44 11.13,43.44 11.13,39.51 11.73,38.92 18.49,38.92 19.47,39.9 U9.8 ; 8.3,44.44 1.54,44.44 v1(0.64,43.55) ; 8.3,44.44 J3.1
  Bottom w0.8: TP10.1 1.49,44.39 v1(0.64,43.55)
/driver/R_MOTOR_OUT+: length 19.2
  Top w0.58: 115.97,23.72 J4.2 119.73,23.72 v1(119.74,23.73)
  Top w0.8: 115.97,23.72 115.97,22.2 115.11,21.34 110.32,21.34 109.69,21.97 109.69,25.53 109.08,26.14 U12.6
  Bottom w0.58: TP13.1 121.1,23.73 v1(119.74,23.73)
/driver/R_MOTOR_OUT-: length 16.4
  Top w0.58: v1(119.81,25.72) J4.1
  Top w0.8: U12.8 108.77,28.68 110.21,30.13 114.38,30.13 115.49,29.02 115.49,26.62 116.39,25.72
  Bottom w0.58: v1(119.81,25.72) 119.82,25.7 TP12.1
/main/BLE_MCU_RXD: length 59
  Top w0.203: U2.59 57.05,50.16 58,51.11 v1(58,52.91) ; v1(110.4,50.97) 110.85,50.97 R5.2
  Bottom w0.203: v1(110.4,50.97) 110.09,50.65 102.59,50.65 101.13,52.11 59.27,52.11 58.47,52.91 v1(58,52.91)
/main/BLE_MCU_TXD: length 58.2
  Top w0.203: R6.2 111.13,49.74 v1(110.38,48.99) ; U2.58 57.55,50.09 58.57,51.11 58.57,51.98 58.57,51.94 v1(58.61,51.9)
  Bottom w0.203: v1(110.38,48.99) 108.69,48.99 108.3,48.6 104.06,48.6 100.97,51.7 58.81,51.7 v1(58.61,51.9)
/main/MOSI: length 35.3
  Top w0.203: U2.57 58.05,47.65 58.49,47.2 58.49,40.14 57.21,38.86 v1(57.21,38.55) ; v1(34.64,37.7) 34.64,39.26 R7.1
  Bottom w0.203: v1(57.21,38.55) 56.56,37.9 48.41,37.9 48.41,37.91 34.85,37.91 v1(34.64,37.7)
/main/SCK: length 34.4
  Top w0.203: v1(32.43,42.05) 32.43,41.76 U5.6 ; v1(59.05,42.53) 59.05,42.53 U2.55
  Bottom w0.203: v1(32.43,42.05) 32.58,42.2 50.47,42.2 51.1,41.56 55.06,41.56 55.83,42.32 58.85,42.32 v1(59.05,42.53)
/main/SCS: length 23.2
  Top w0.203: U5.5 30.7,41.59 v1(31.16,42.06) ; v1(50.21,41.59) 50.87,42.25 U2.10
  Bottom w0.203: v1(31.16,42.06) 32.06,41.16 49.78,41.16 v1(50.21,41.59)
/main/TSD_DATA: length 8.1
  Top w0.203: U2.2 53.35,46.25 53.64,46.54 53.64,47.12 53.42,47.35 53.42,48.49 52.56,49.35 49.84,49.35 49.15,50.03 U3.3
/main/USB_DM: length 4.3
  Top w0.203: v1(67.1,45.53) 66.33,44.75 U2.44
  Bottom w0.203: TP33.1 66.29,45.53 v1(67.1,45.53)
/main/USB_DP: length 3.7
  Top w0.203: v1(65.43,46.09) 65.43,45.98 64.7,45.25 U2.45
  Bottom w0.203: TP31.1 66.28,46.93 v1(65.43,46.09)
/peripheral/BLUE: length 13.4
  Top w0.203: v1(73.25,10.4) 72.64,10.4 Q12.3 ; v1(84.26,10.41) 83.51,9.65 R73.1
  Bottom w0.203: v1(73.25,10.4) 73.26,10.4 84.25,10.4 v1(84.26,10.41)
/peripheral/RED: length 11.3
  Top w0.203: v1(85.29,10.92) 85.29,10.33 85.12,10.16 R76.1 ; Q10.3 75.86,10.8 76.46,10.8 v1(76.67,11)
  Bottom w0.203: v1(85.29,10.92) 85.19,11.02 84.01,11.02 83.79,10.8 76.87,10.8 v1(76.67,11)
/peripheral/SPEAKER_N: length 44.3
  Top w0.5: v1(73.55,1.96) J8.2 73.55,4.62 74.25,3.93 78.47,3.93 81.77,7.23 81.77,13.01 82.44,13.67 82.44,18.91 83.62,20.08 84.62,20.08 85.52,20.98 91.11,20.98 92.72,22.59 92.72,25.09 91.47,26.34 U14.8
  Bottom w0.5: TP28.1 71.99,1.6 73.19,1.6 v1(73.55,1.96)
/peripheral/SPEAKER_P: length 32.9
  Top w0.5: 90.14,22.54 89.88,22.54 89.03,21.69 84.91,21.69 84.36,21.14 R78.2 83.68,21.14 81.71,19.17 81.71,13.94 81.07,13.3 81.07,7.52 78.25,4.7 v1(75.98,4.7) 75.38,4.7 J8.1
  Bottom w0.5: TP27.1 74.21,4.7 v1(75.98,4.7)
/peripheral/VOICE_BUSY: length 4
  Top w0.203: U13.1 v1(90.12,29.78) 90.38,29.51 R85.1
  Bottom w0.203: TP50.1 v1(90.12,29.78)
/power/BATT_NEG: length 21.4
  Top w0.203: R20.1 96.08,15.15 95.35,15.15 93.92,13.73 93.92,13.03 91.55,10.65 R21.2
  Top w1: R21.2 90.04,10.64 90.04,8.29 R22.2 90.05,7.9 94.05,3.89 J2.1
  Bottom w1: TP17.1 95.48,1.61 J2.1
/power/BATT_SYS: length 86.3
  Top w0.203: Q2.3 47.61,30.36 45.5,32.48 45.4,32.48
  Top w1: v1(78.47,7.85) 79.24,8.62 79.24,14.56 79.9,15.21 79.9,28.59 v1(79.56,28.92) 79.54,28.94 v1(78.64,28.94) ; v1(51.67,29.73) v1(51.15,30.26) 47.86,30.26 Q2.3
  Bottom w0.203: 51.18,30.23 v1(51.15,30.26)
  Bottom w1: v1(78.47,7.85) 79.53,8.91 95.46,8.91 J2.3 TP9.1 ; 51.18,30.23 v1(51.67,29.73) 52.47,28.94 79.54,28.94 v1(79.56,28.92)
  vias: v1(79.04,8.45)
ADC_FAN_MOTOR: length 25
  Top w0.203: U2.21 56.55,38.78 57.95,40.18 v1(57.95,44.28) ; U10.1 73.98,42.86 R55.2 70.6,44.73 C57.2 69.99,44.13 v1(69.72,44.13)
  Bottom w0.203: v1(69.72,44.13) 69.52,44.33 58,44.33 v1(57.95,44.28)
ADC_LEFT_MOTOR: length 35.7
  Top w0.203: U2.14 54.28,40.25 54.96,40.93 54.96,46.29 53.76,47.49 53.76,48.63 52.64,49.75 v1(52.64,50.52) ; U11.1 72.8,50.68 72.49,50.99 C50.2 72.06,51.04 R41.2 70.35,50.83 v1(69.25,50.83)
  Bottom w0.203: v1(69.25,50.83) 68.78,51.29 53.42,51.29 v1(52.64,50.52)
ADC_RIGHT_MOTOR: length 44.5
  Top w0.203: U2.15 54.26,39.75 55.31,40.79 55.31,46.43 54.1,47.63 54.1,49.04 53.34,49.8 v1(53.34,50.09) ; v1(77.77,49.74) 78.1,49.41 U11.7 80.4,49.41 80.84,49.84 C54.2 83.12,49.84 R47.2
  Bottom w0.203: v1(77.77,49.74) 77.37,50.14 69.07,50.14 68.32,50.89 53.67,50.89 53.34,50.55 v1(53.34,50.09)
BATT_C: length 59.6
  Top w0.203: v1(94.61,34.33) 94.61,34.19 94.09,33.66 94.09,22.03 91,18.94 91,14.08 R19.2 ; 61.07,34.3 59.55,35.82 U2.27
  Bottom w0.203: 61.29,34.14 94.43,34.14 v1(94.61,34.33)
  vias: v1(61.13,34.3)
BATT_ON: length 13.8
  Top w0.203: v1(49.51,35.52) 48.64,36.39 R17.2 ; U2.28 60.05,36.09 v1(60.12,36.01)
  Bottom w0.203: v1(60.12,36.01) 59.28,35.16 49.87,35.16 v1(49.51,35.52)
BATT_V: length 52.7
  Top w0.203: R28.2 83.89,13.95 v1(84.59,14.66) ; U2.26 59.05,36.1 58.67,35.72 C39.1 57.63,33.98 57.63,31.67 55.59,29.63 55.59,24.46 57.55,22.49 57.55,17.72 58.16,17.11 63.58,17.11 64.43,16.25 v1(64.43,14.36)
  Bottom w0.203: v1(64.43,14.36) 64.79,14.71 84.54,14.71 v1(84.59,14.66)
BELL: length 58.8
  Top w0.203: v1(21.76,31.23) 21.76,34.16 R63.1 ; v1(59.59,45.34) 59.55,45.39 U2.54 ; v1(43.58,45.38) 42.36,44.16 42.36,32.46 v1(41.51,31.6)
  Bottom w0.203: v1(21.76,31.23) 22.06,30.93 40.84,30.93 v1(41.51,31.6) ; v1(43.58,45.38) 44.25,46.04 57.08,46.04 57.78,45.34 v1(59.59,45.34)
CHG_PWM: length 54.8
  Top w0.203: v1(21.33,30.16) 20.93,29.76 20.93,28.04 21.82,27.16 21.82,21.62 20.11,19.92 20.11,19.46 Q4.2 ; U2.22 57.05,36.27 56.81,36.03 v1(56.81,32.48)
  Bottom w0.203: v1(56.81,32.48) 56.8,32.47 55.79,32.47 55.41,32.08 54.11,32.08 53.52,32.67 43.48,32.67 41.33,30.52 21.7,30.52 v1(21.33,30.16)
CHG_V: length 14.4
  Top w0.203: R29.2 56.82,27.63 56.42,27.63 v1(56.2,27.85) ; v1(53.76,27.9) 53.76,32.22 52.79,33.19 52.79,34.13 C40.1 54.55,35.89 U2.17
  Bottom w0.203: v1(53.76,27.9) 54.01,27.65 56,27.65 v1(56.2,27.85)
CHG_WATCHDOG: length 55.6
  Top w0.203: U2.52 60.55,47.73 v1(60.25,47.43) ; v1(21,31.73) 20.6,31.33 R92.1 ; v1(39.65,33.54) 40.61,34.5 40.61,46.94 v1(40.94,47.26)
  Bottom w0.203: v1(40.94,47.26) 41.34,47.67 57.76,47.67 57.99,47.43 v1(60.25,47.43) ; v1(39.65,33.54) 39.33,33.22 31.01,33.22 29.99,32.2 21.47,32.2 v1(21,31.73)
